# Altium PCB base-32-bit.PcbDoc (part 1 of 2)
Units mil, origin at the board's own origin, x right, y up, seen from the top; angles counter-clockwise.
Board outline 1400 x 1750 mil, 4 copper layers (Top Layer, GND, PWR, Bottom Layer), stack 23.756 mil thick; 70 components, 133 nets, 525 pads, 249 vias.
Unrouted connection lines stored in the file: 25.
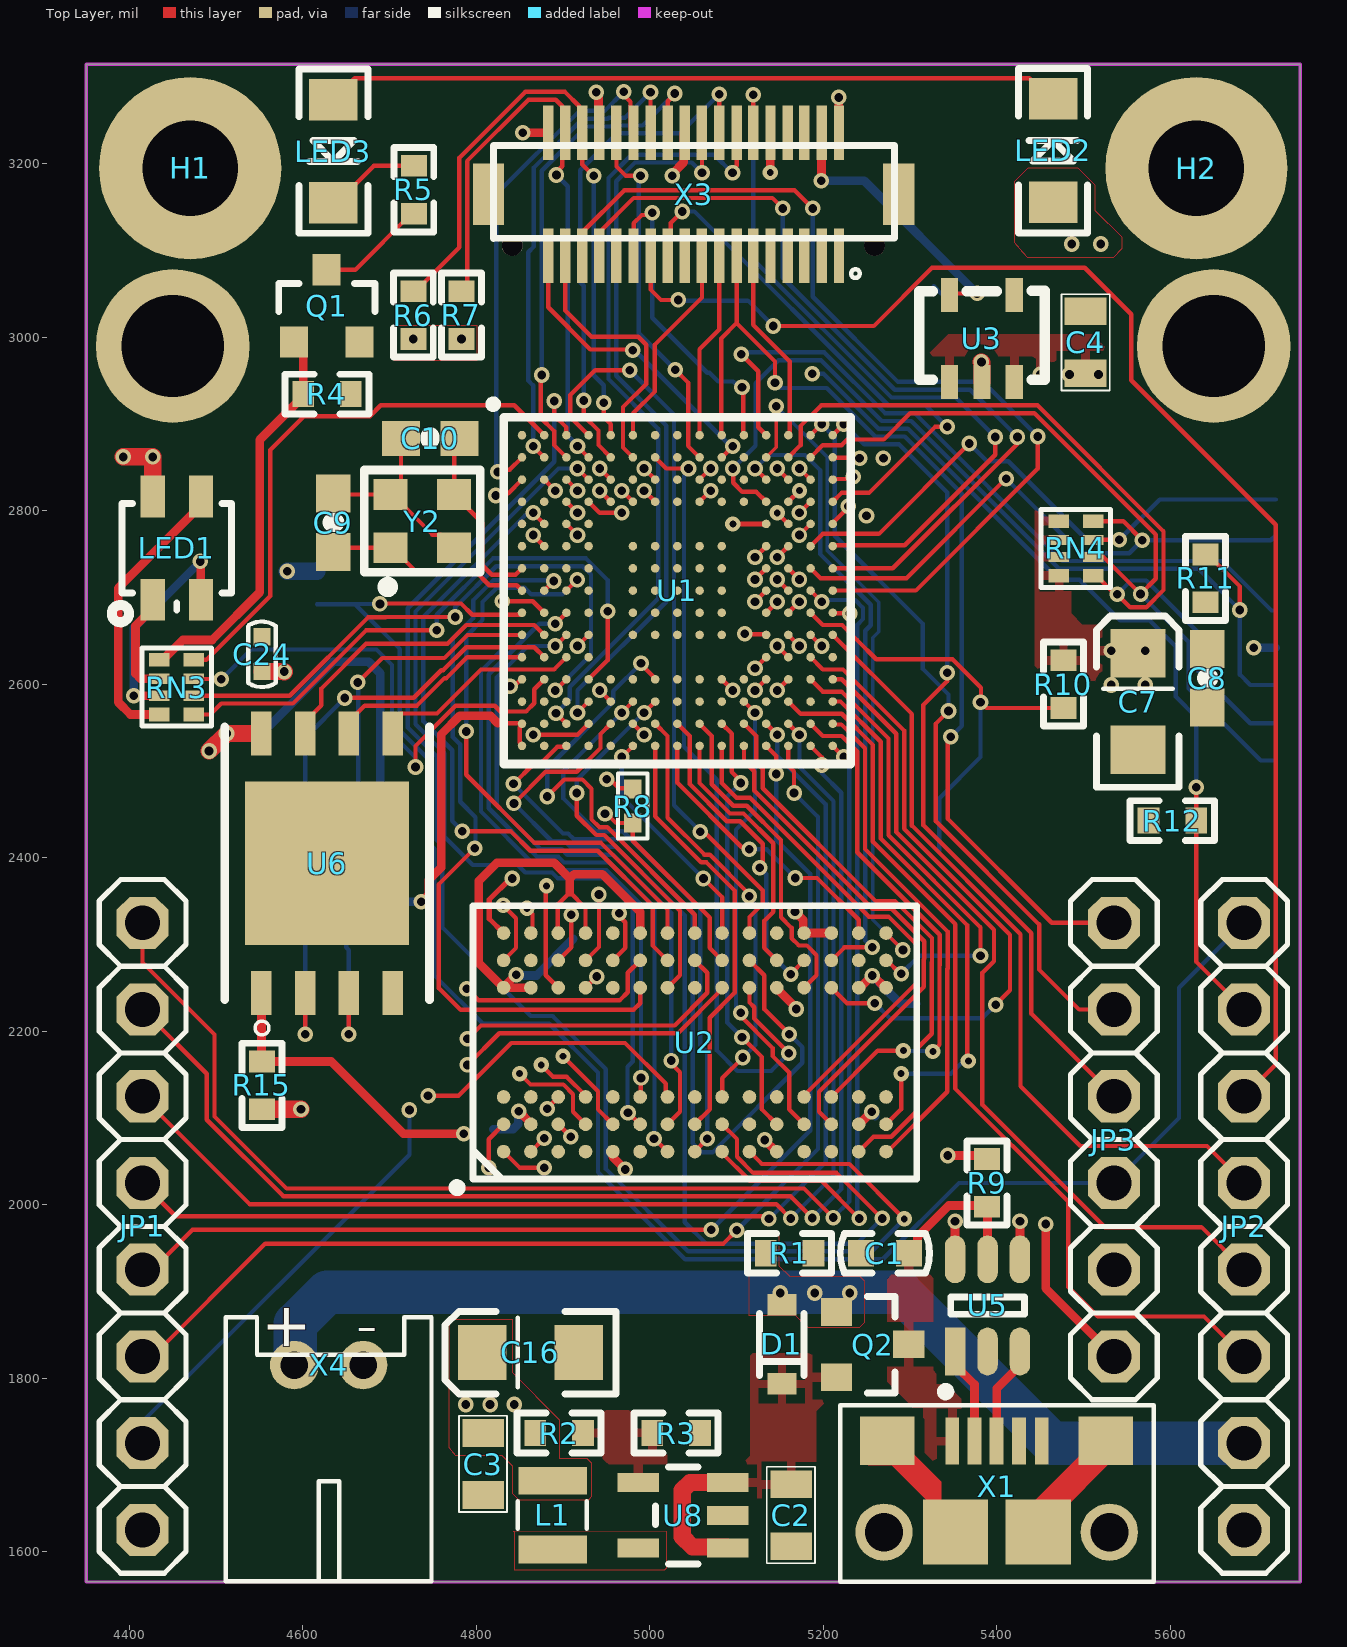
[diagram p0: Top Layer view]
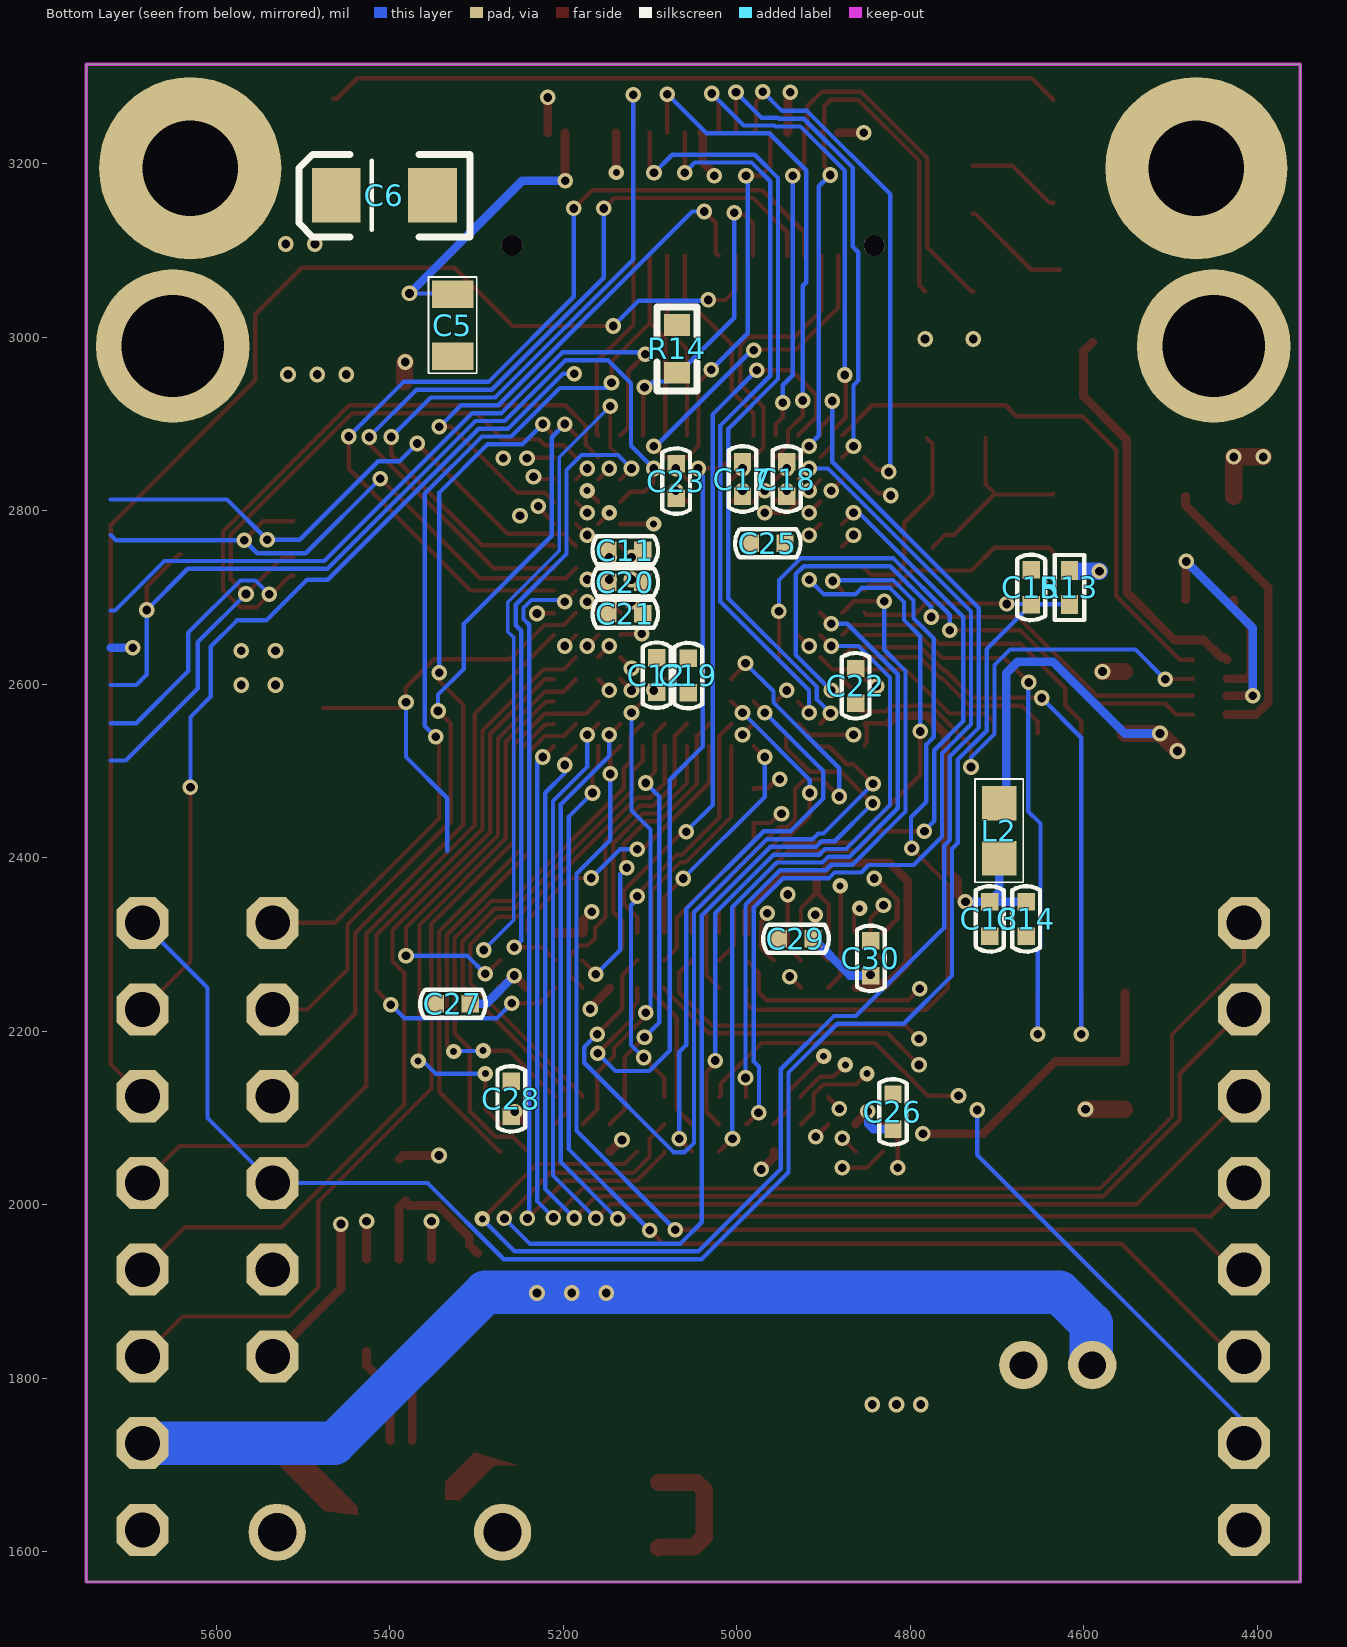
[diagram p1: Bottom Layer view, seen from below]
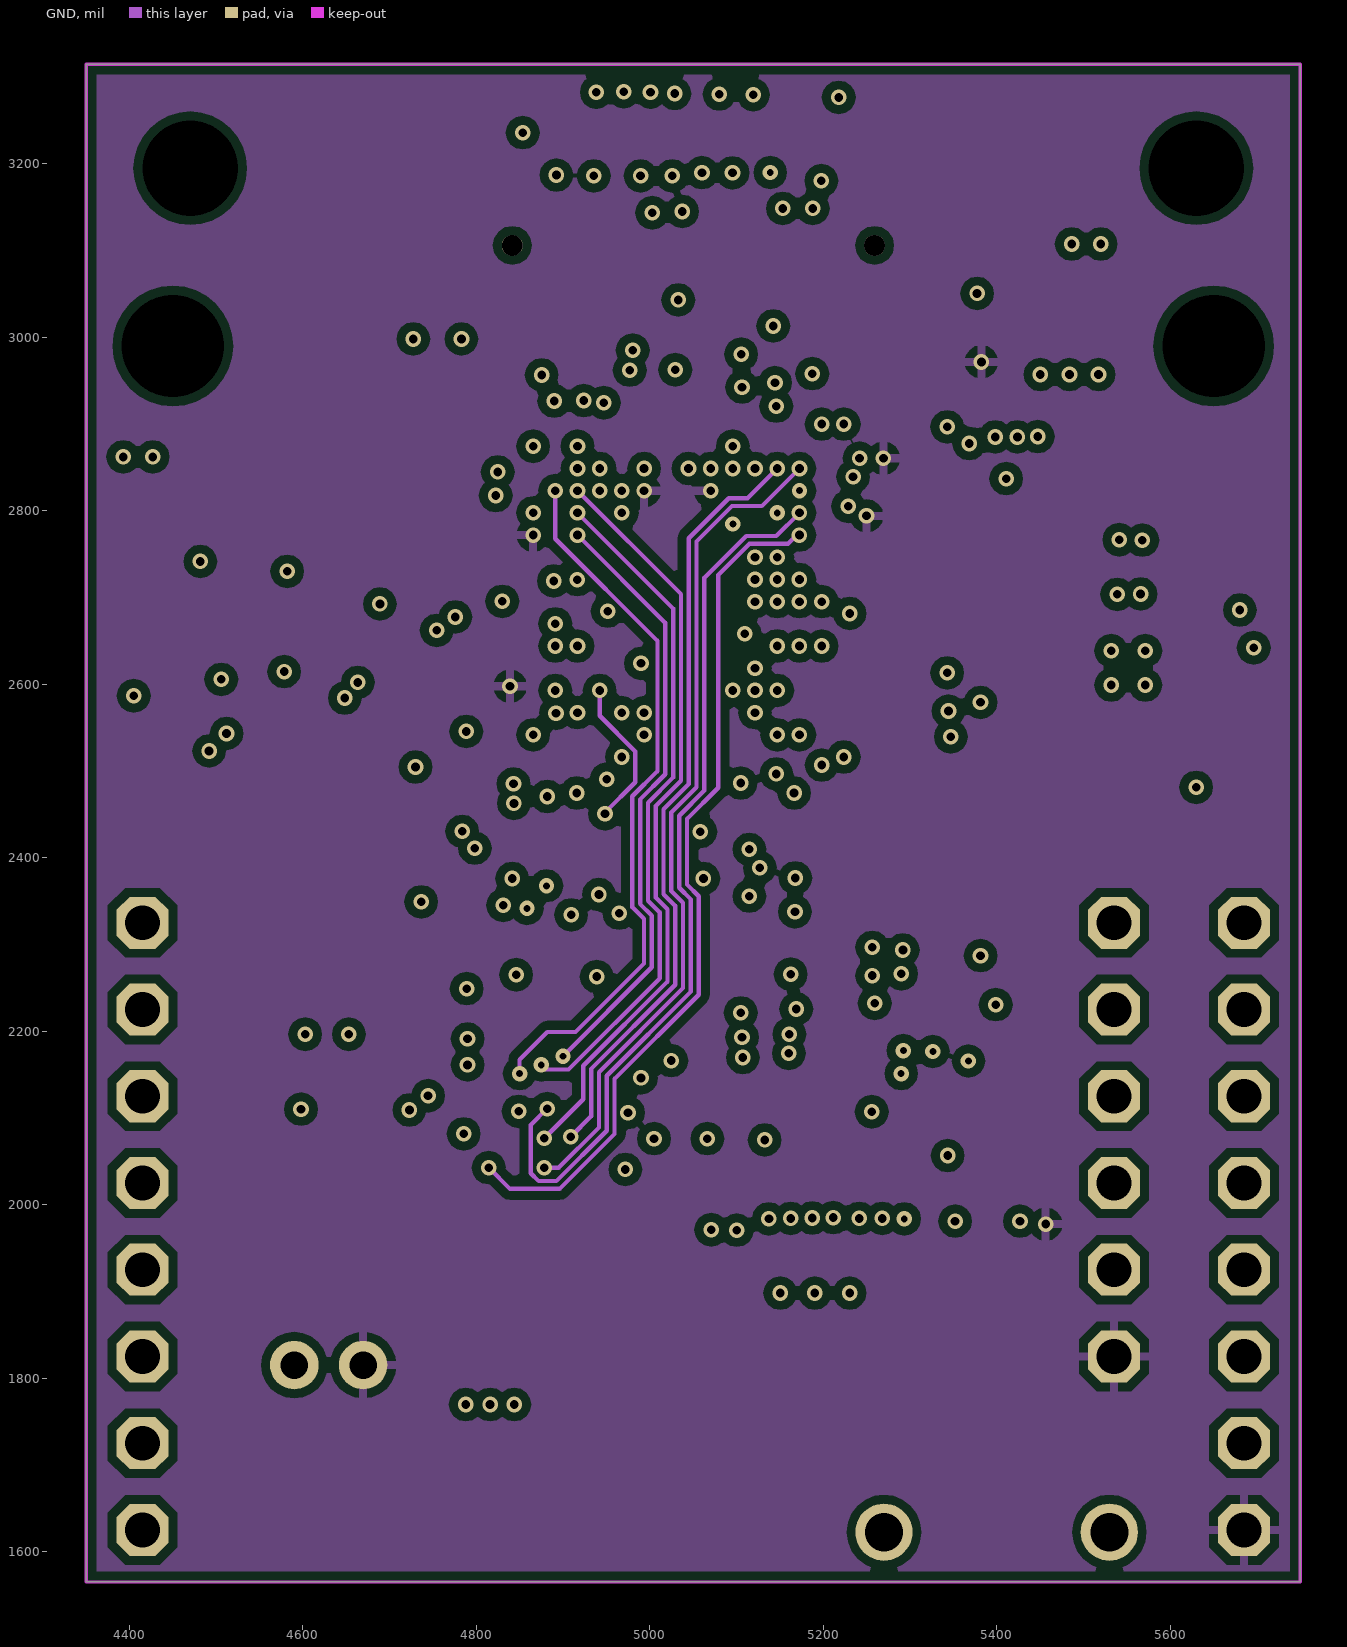
[diagram p2: GND]
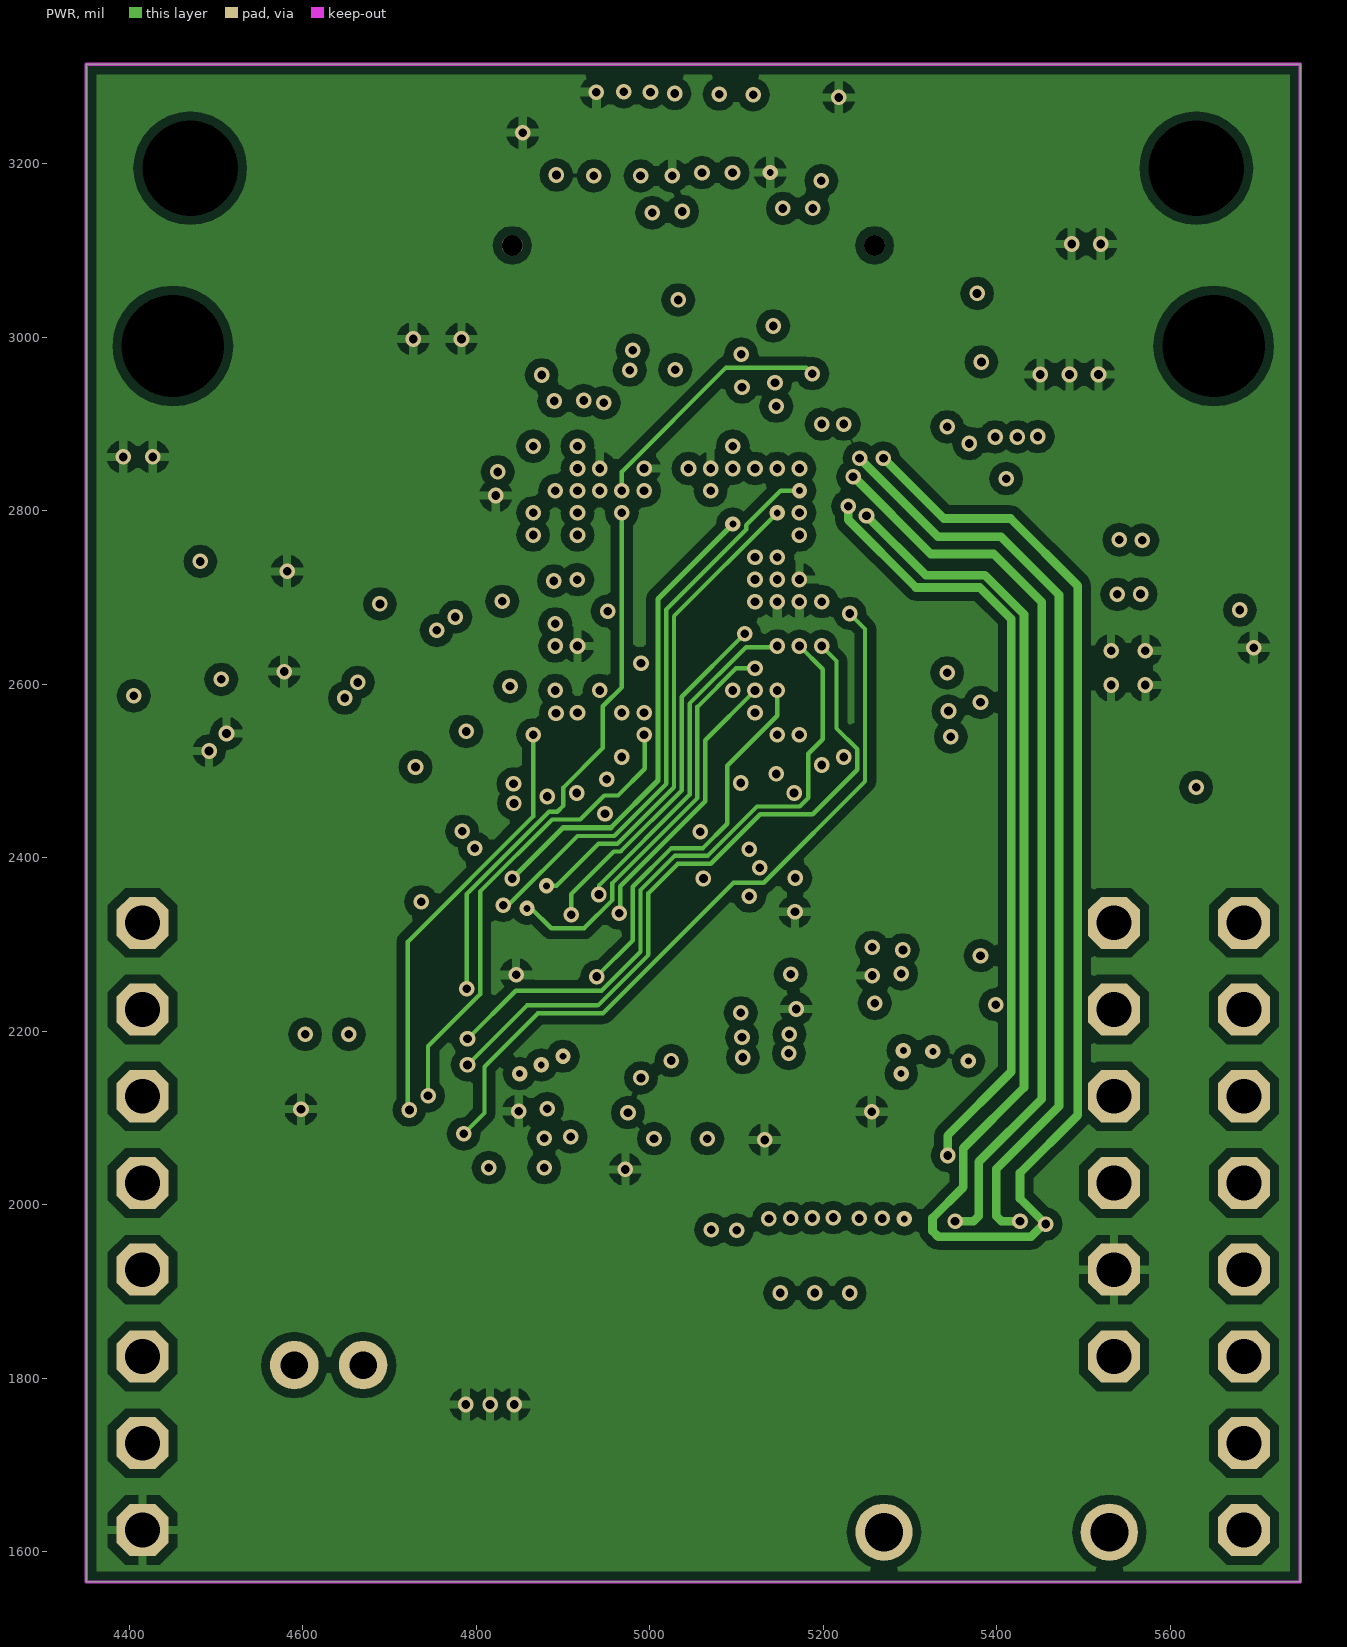
[diagram p3: PWR]
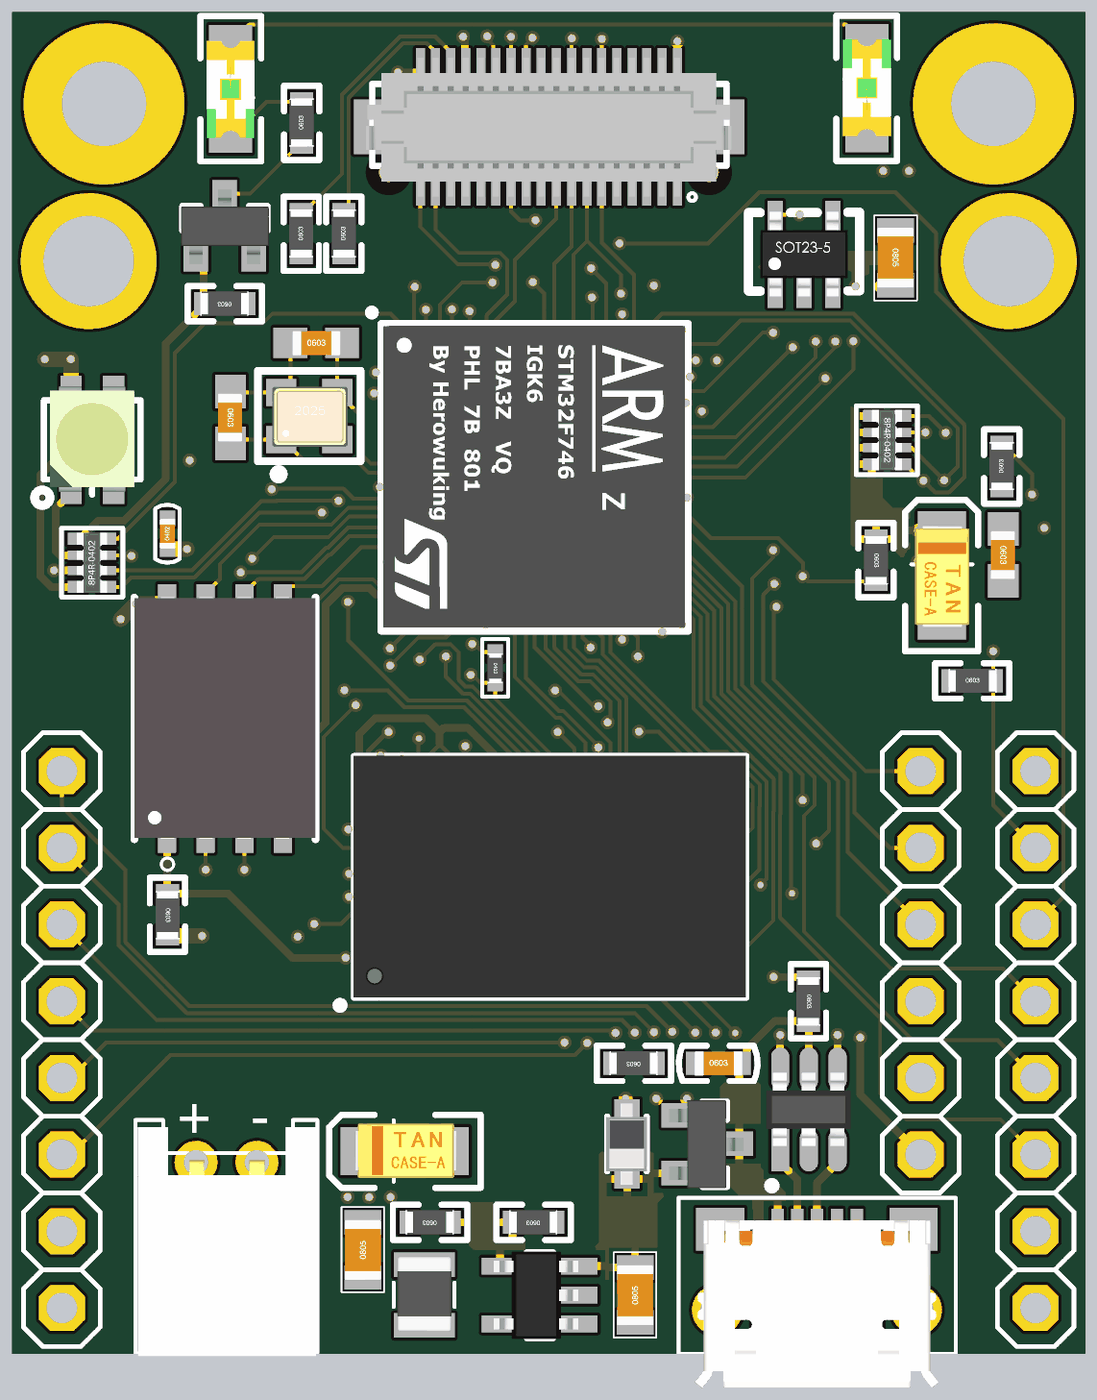
[diagram p5: 3D render of the assembled board from above, using the file's embedded part models]
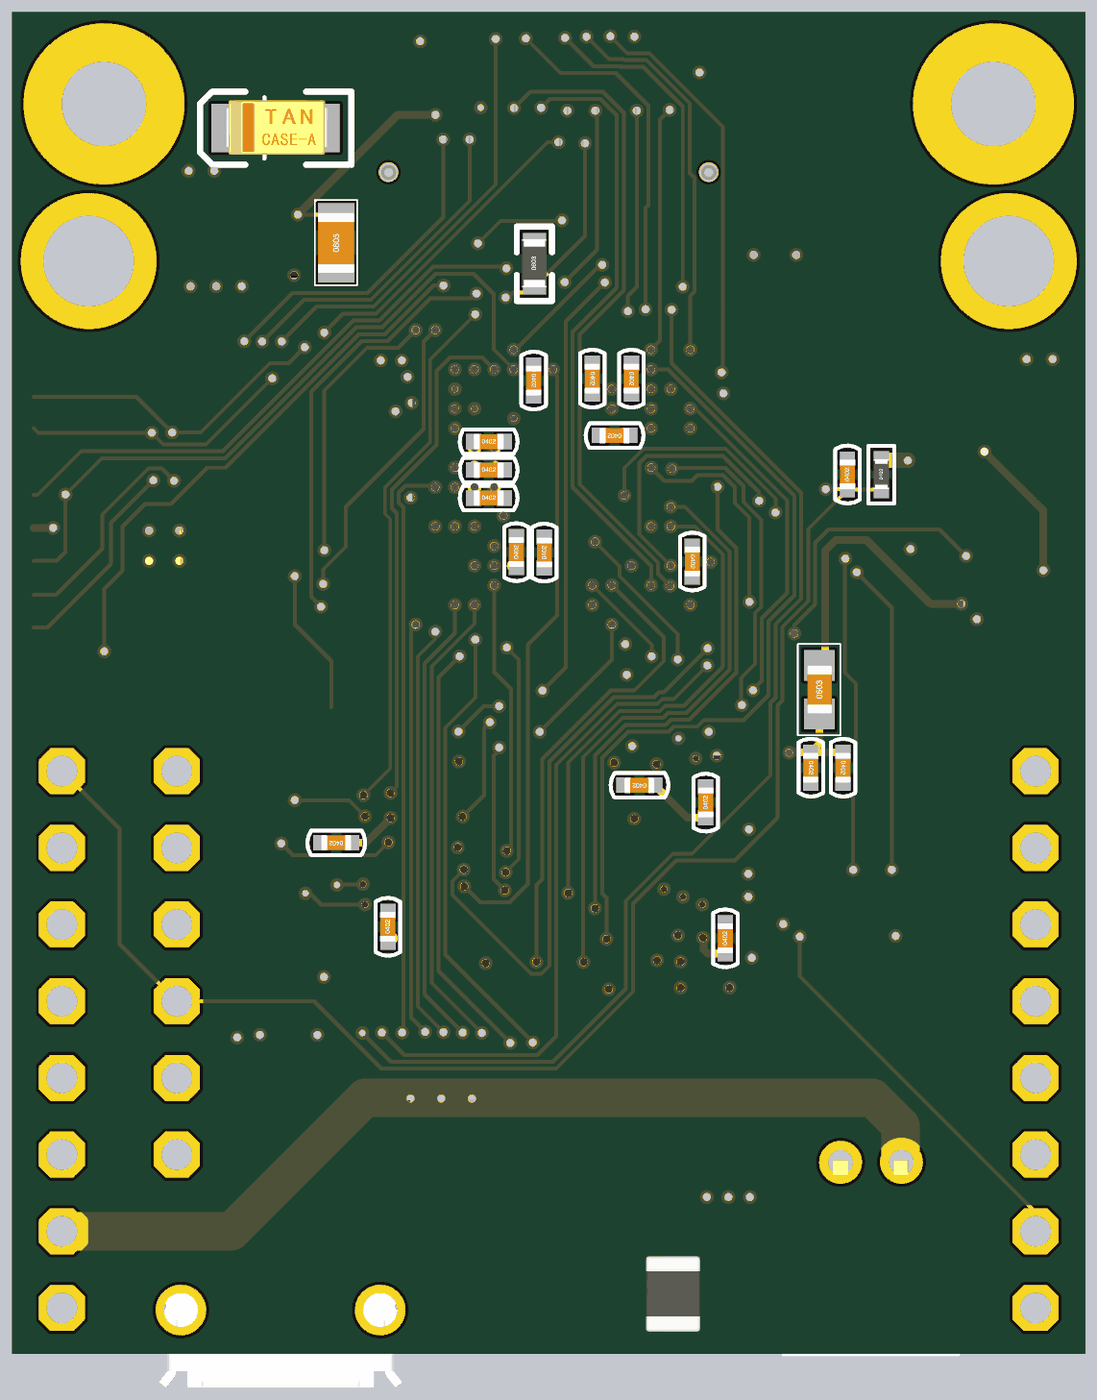
[diagram p6: 3D render of the assembled board from below, using the file's embedded part models]

## Layer stack, top to bottom
Top Solder: solder mask 0.4, Solder Resist, Dk 3.5
Top Layer: signal copper 1.4
Dielectric 2: prepreg 2.8, PP-006, Dk 4.1
GND: signal copper 1.378
Dielectric 1: dielectric 12.6, FR-4, Dk 4.8
PWR: signal copper 1.378
Dielectric 3: prepreg 2.8, PP-006, Dk 4.1
Bottom Layer: signal copper 1.4
Bottom Solder: solder mask 0.4, Solder Resist, Dk 3.5

## Board outline
4350,1565 4350,3315 5750,3315 5750,1565

## Design rules (kind name [scope] priority, off if disabled: settings)
Clearance [All] p1: gap=10 ignorepadtopadclearanceinfootprint=FALSE except(0: Arc-Hole Track-Hole SMDPad-Hole THPad-Hole Via-Hole Fill-Hole Poly-Hole Region-Hole Text-Hole)
PolygonConnect [All] p1: connectstyle=Relief reliefconductorwidth=10 reliefentries=4 polygonreliefangle="90 Angle" airgapwidth=10
RoutingVias [All] p1: holewidth=28 width=50 viastyle="Through Hole" minholewidth=28 minwidth=50 maxholewidth=28 maxwidth=50
SolderMaskExpansion [All] p1: expansion=4
Width [All] p1: maxlimit=10 minlimit=10 preferedwidth=10
30 further rules are at their usual default settings.

## Components (designator, comment, footprint, x,y, rotation, side; value= is the part's Value field where it differs from the comment)
C1 "0.1UF" C0603 5243.52,1944 r0 top locked
C2 "22uF" 0805 5162.76,1641.69 r90 top locked
C3 "22uF" 0805 4807.76,1700.69 r90 top locked
C4 "1uF" 0805 5502.23,2994.64 r270 top locked
C5 "1uF" 0805 5327.26,3013.69 r90 bottom locked
C6 "47uF" EIA3216 5405.76,3163.69 r0 bottom locked
C7 "47uF" EIA3216 5562.76,2579.69 r90 top locked
C8 "0.1uF" 0603-CAP 5642.76,2607.23 r270 top locked
C9 "12pF" 0603-CAP 4634.87,2786.39 r270 top locked
C10 "12pF" 0603-CAP 4746.46,2883.49 r0 top locked
C11 "2.2uF" C0402 5128.23,2753.64 r180 bottom locked
C12 "2.2uF" C0402 5091.23,2610.64 r90 bottom locked
C13 "1uF" C0402 4709.21,2329.38 r270 bottom locked
C14 "0.1uF" C0402 4667.21,2329.38 r270 bottom locked
C15 "1uF" C0402 4659.37,2711.89 r90 bottom locked
C16 "47uF" EIA3216 4862.73,1829.64 r180 top locked
C17 "0.1uF" C0402 4994.23,2836.64 r270 bottom locked
C18 "0.1uF" C0402 4943.23,2836.64 r270 bottom locked
C19 "0.1uF" C0402 5054.73,2610.14 r90 bottom locked
C20 "0.1uF" C0402 5128.23,2716.64 r180 bottom locked
C21 "0.1uF" C0402 5128.23,2680.14 r180 bottom locked
C22 "0.1uF" C0402 4863.73,2598.14 r270 bottom locked
C23 "0.1uF" C0402 5070.73,2834.14 r270 bottom locked
C24 "0.1uF" C0402 4553.76,2634.69 r90 top locked
C25 "0.1uF" C0402 4964.23,2763.64 r0 bottom locked
C26 "0.1uF" C0402 4818.73,2107.14 r90 bottom locked
C27 "0.1uF" C0402 5327.23,2232.64 r0 bottom locked
C28 "0.1uF" C0402 5258.73,2122.14 r90 bottom
C29 "0.1uF" C0402 4931.73,2307.64 r0 bottom locked
C30 "0.1uF" C0402 4844.23,2284.14 r90 bottom
D1 "BAT60BE6327" SOD-323 5152.26,1838.69 r90 top locked
H1 "MOUNT-PAD-ROUND2.8" 2,8-PAD 4470,3195 r90 top locked
H2 "MOUNT-PAD-ROUND2.8" 2,8-PAD 5630,3195 r270 top locked
JP1 "PINHD-1X8" 1X08 4415,1975 r270 top locked
JP2 "PINHD-1X8" 1X08 5685,1975 r270 top locked
JP3 "PINHD-1X6" 1X06 5535,2075 r270 top locked
L1 "4.7uH/1.4A" 1007 4887.76,1642.32 r180 top locked
L2 "MPZ1608S181ATAH0" 0603 4697.21,2430.88 r90 bottom locked
LED1 "LED-TRICOLOR" LED-TRICOLOR-SMD 4454.5,2756.5 r180 top locked
LED2 "VSMY12850" LED-1206 5465,3215 r90 top locked
LED3 "VSMY12850" LED-1206 4635,3215 r270 top locked
Q1 "BSS138" SOT23-3 4627.16,3033.86 r0 top locked
Q2 "Si2301BDS" SOT23-3 5254.52,1839 r270 top locked
R1 "10K" R0603 5188.52,1944 r180 top locked
R2 "453K" R0603 4922.76,1736.69 r180 top locked
R3 "100K" R0603 5057.76,1736.69 r180 top locked
R4 "10K" R0603 4655.16,2934.49 r180 top locked
R5 "10R" R0603 4727.76,3142.69 r90 top locked
R6 "4.7K" R0603 4727.23,2998.14 r90 top locked
R7 "4.7K" R0603 4782.73,2998.14 r90 top locked
R8 "10K" R0402 4980.23,2479.14 r270 top locked
R9 "560R" R0603 5388.73,2052.64 r270 top locked
R10 "10K" R0603 5476.76,2627.69 r270 top locked
R11 "10K" R0603 5640.76,2694.69 r90 top locked
R12 "10K" R0603 5574.76,2442.69 r0 top locked
R13 "10K" R0402 4616.23,2692.14 r90 bottom locked
R14 "10K" R0603 5068.73,2959.14 r90 bottom locked
R15 "10K" R0603 4552.73,2165.14 r270 top locked
RN3 "220R" RCA-8P4R-0402 4454.23,2596.64 r90 top locked
RN4 "220R" RCA-8P4R-0402 5491.23,2756.64 r270 top locked
U1 "STM32H743IIK6" UFBGA-201_L10.0-W10.0-P0.65-TL_STM32H743IIK6 5020.79,2708.93 r0 top locked
U2 "IS42S32800" BGA-90-8000X13000DE 4831.3,2061.22 r90 top locked
U3 "ME6211C33M5G-N" SOT-23-5 5345.46,2948.69 r0 top locked
U5 "USBLC6-2SC6" SOT-23-6 5351.86,1830.69 r0 top locked
U6 "W25Q256JV" WSON-8_L8.0-W6.10-P1.27-BL-EP 4627.76,2393.68 r0 top locked
U8 "PAM2305AABADJ" TSOT25 5089.76,1604.29 r90 top locked
X1 "MF-CON-MICROUSB-RIGHT" MICROUSB-RIGHT 5399.74,1677.69 r0 top locked
X3 "DF12-36-DS" DF12-36-DS 5050,3165 r0 top locked
X4 "S2B-PH-K-S(LF)(SN)" JST-PH-2-THM-RA 4630,1815 r180 top locked
Y2 "12M" OSC-SMD_4P-L2.5-W2.0-BL 4737.63,2788.08 r0 top locked
